# KiCad board CRMHJN_capable_carrier.kicad_pcb (continued)
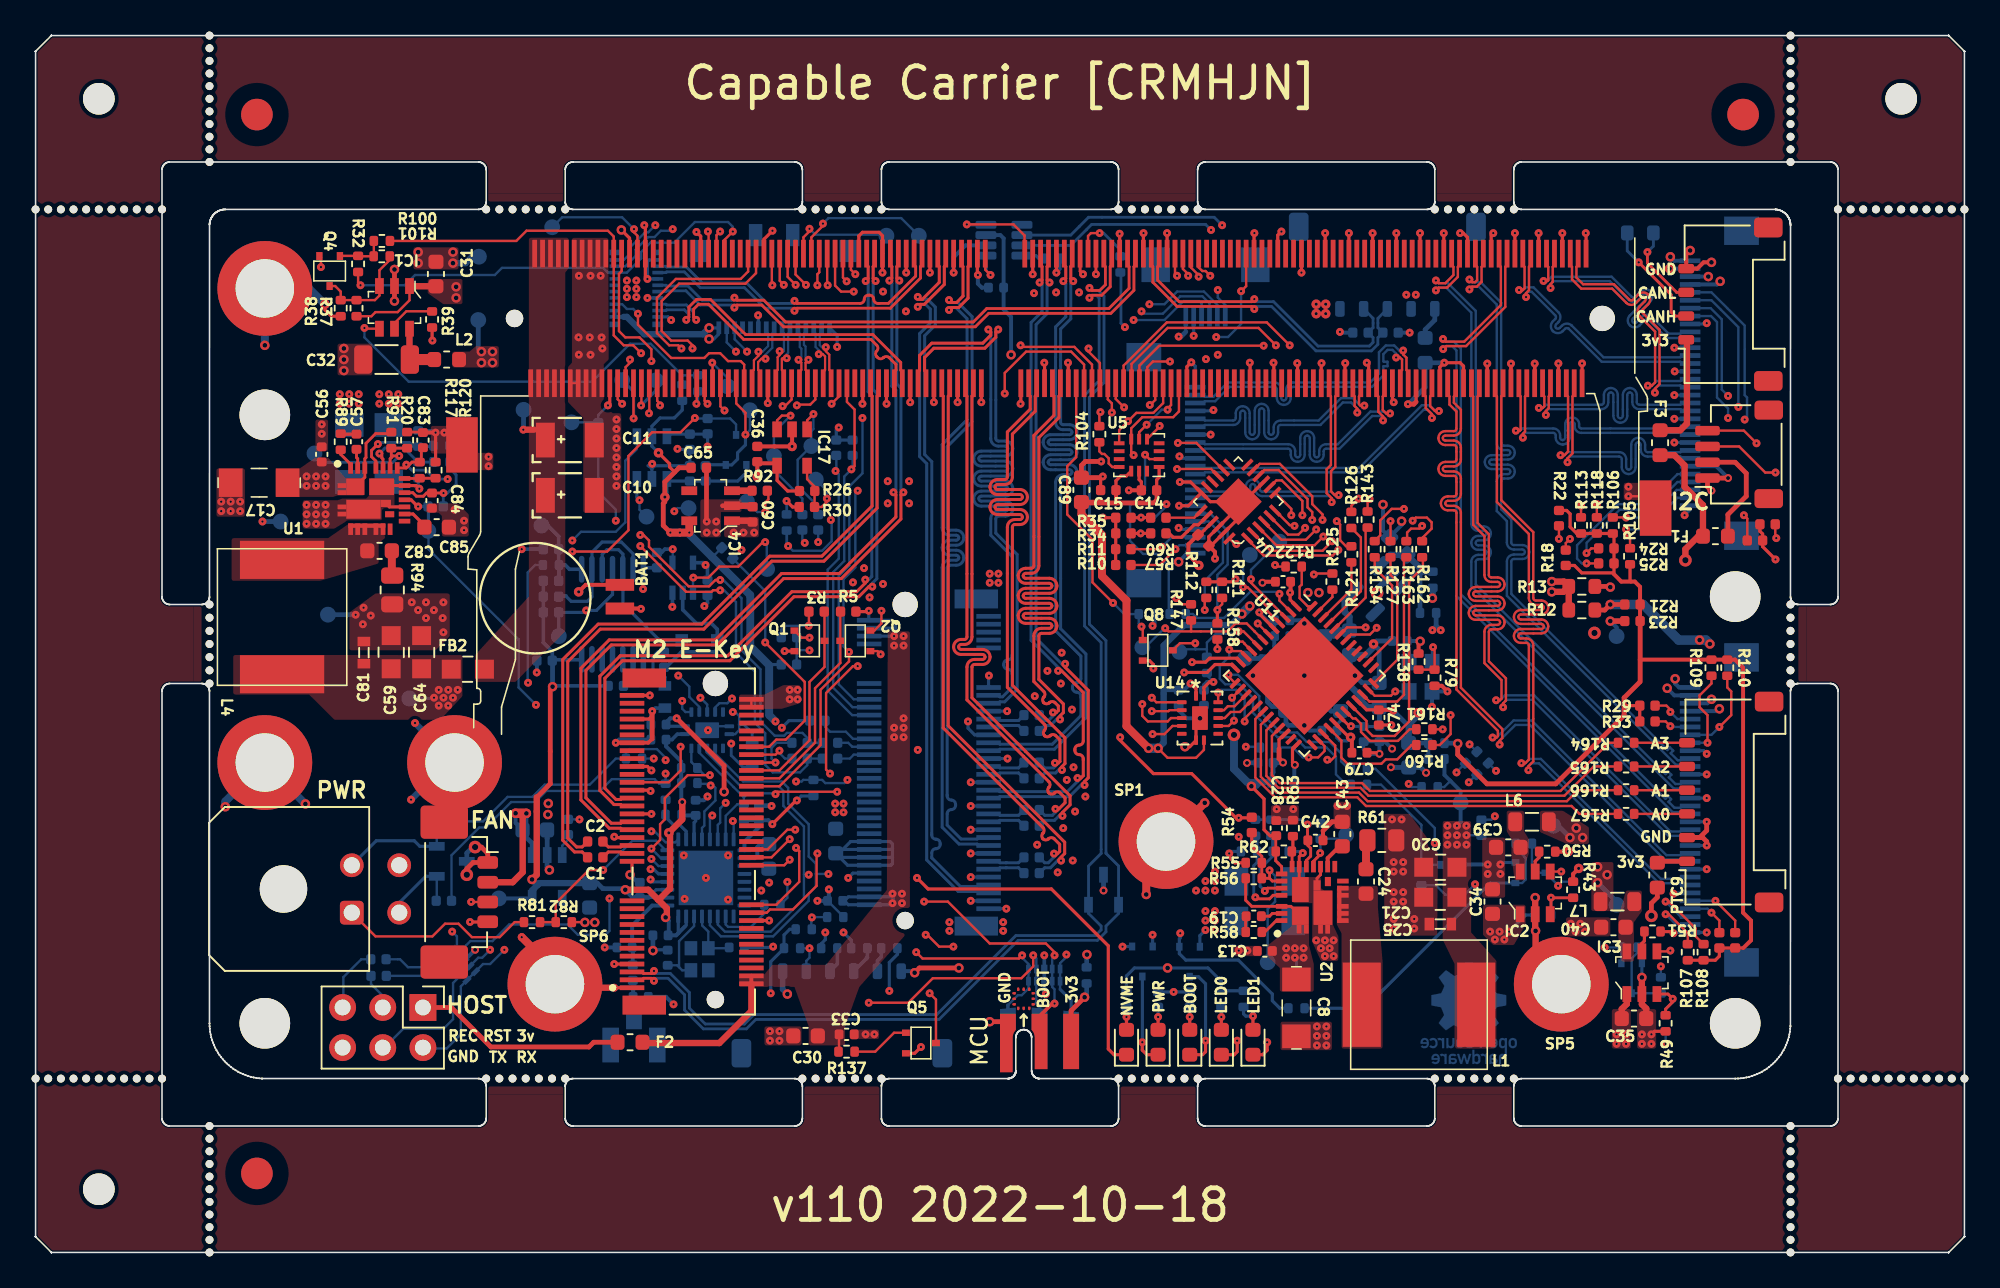
[diagram p0: board, top side]
## Routing (per net, layer and track width the routed paths; a pad name or vN(x,y) marks a point on that pad's centre or on a via; arc(x,y) is an arc through that point) (continued)
Board_0-IO0/SDA: length 37.3
  In2.Cu w0.15: v1(48.65,44.9) 48.65,42.7 45.2,39.25 45.2,37.5 45.6,37.1 45.6,32.5 44.25,31.15 v1(39.85,31.15)
  Bottom w0.15: v1(39.85,31.15) 39.85,31.3 39.3,31.85 37.55,31.85 37.34,31.64 R73.2 36.7,31.25 35.05,29.6 32.2,29.6 31.42,28.83 29.85,28.83 28.3,27.28 R66.1 ; R68.1 48.5,45.05 v1(48.65,44.9)
Board_0-IO1/SCL: length 41.3
  In2.Cu w0.15: v1(39.85,30.3) 40.3,30.3 40.75,30.75 44.35,30.75 46,32.4 46,37.3 45.55,37.75 45.55,38.95 49.5,42.9 v1(49.5,44.95)
  Bottom w0.15: v1(39.85,30.3) R72.2 39.44,29.66 39.15,29.95 36.45,29.95 35.7,29.2 32.3,29.2 31.6,28.5 30.08,28.5 28.47,26.89 28.06,26.89 26.31,25.14 R67.1 ; v1(49.5,44.95) R69.1
Board_0-M2E_ALERT: length 28.2
  Top w0.15: v1(43.58,53.27) 43.32,53.53 M1.212 ; J4.62 46.4,32 46.85,32.45 47.45,32.45 48.65,33.65 48.65,36.1 v1(46.15,38.6)
  In2.Cu w0.15: v1(44.65,44.45) 44.45,44.45 43.62,45.27 43.62,53.23 v1(43.58,53.27)
  Bottom w0.15: v1(46.15,38.6) 46.15,41.85 R2.2 44.11,43.91 v1(44.65,44.45)
Board_0-M2M_ALERT: length 3.5
  Bottom w0.15: R114.1 49.94,33.27 50.25,32.95 51.25,32.95 51.7,32.5 J8.44
Board_0-Net-(AE1-Pad1): length 2.6
  Bottom w0.25: L5.1 37.8,17.19 37.8,16.18 C6.1 37.85,16.12 AE1.1
Board_0-Net-(BOOT1-Pad1): length 6.6
  Top w0.2: BOOT1.1 73.81,12.51 74,12.7 v1(74,13.4)
  Bottom w0.2: T2.3 73.56,17.44 74,17 v1(74,13.4)
Board_0-Net-(BOOT1-Pad2): length 1.4
  Top w0.2: BOOT1.2 v1(73,14.9)
  Bottom w0.2: v1(73,14.9) R14.1
Board_0-Net-(C19-Pad2): length 1
  Top w0.18: R58.1 76.54,21.25 C19.2
Board_0-Net-(C24-Pad1): length 1.9
  Top w0.5: R61.1 84.15,25.99 C24.1
Board_0-Net-(C32-Pad2): length 3.5
  Top w0.4: C32.2 23.65,56.52 IC1.6
  Top w0.7: L2.1 C32.2
Board_0-Net-(C57-Pad2): length 1
  Top w0.2: C57.2 19.33,51.78 R89.1
Board_0-Net-(C77-Pad2): length 4.6
  Bottom w0.4: U13.5 82.8,41.25 82.8,40.52 83.1,40.22 C77.2 82.48,39.35 82.16,39.04 R148.2
Board_0-Net-(C82-Pad1): length 1.6
  Top w0.5: C82.1 22.53,42.86
  Top w0.6: 22.53,42.86 R94.1
Board_0-Net-(D6-Pad2): length 1.4
  Top w0.2: D6.2 v1(75,14.9)
  Bottom w0.2: v1(75,14.9) 75,15.53 R140.2
Board_0-Net-(D7-Pad2): length 2
  Top w0.2: D7.2 v1(77,14.95)
  Bottom w0.2: v1(77,14.95) 76.55,14.95 76.41,15.09 R139.2
Board_0-Net-(IC1-Pad3): length 6.7
  Top w0.15: R101.1 22.41,62.8 21.75,62.15 IC1.3 21.75,60.55 21.46,60.26 R37.1 R38.2 19.3,60.8 18.95,61.15 Q4.3
Board_0-Net-(IC1-Pad5): length 3
  Top w0.15: 25.02,59.55 23.45,59.55 22.7,58.8 IC1.5
Board_0-Net-(IC2-Pad5): length 1.4
  Top w0.2: R50.2 95.1,25 94.85,24.75 IC2.5
Board_0-Net-(IC3-Pad5): length 1.3
  Top w0.2: IC3.5 101.6,19.55 101.76,19.71 R51.2
Board_0-Net-(IC4-Pad3): length 1.3
  Top w0.406: R92.1 44.05,48.2
Board_0-Net-(IC12-Pad2): length 9.8
  Bottom w0.15: R16.2 33.58,41.5
  Bottom w0.2: 33.58,41.5 33.88,41.2 34.9,41.2 35.19,41.49 IC12.2 35.19,44.31 35.83,44.95 37.05,44.95 37.79,44.21 IC12.6
  Bottom w0.23: 33.09,41.55 33.55,41.55
Board_0-Net-(J1-Pad1): length 13.5
  Top w0.3: F2.1 35.3,13.3 35,13 28.8,13 26.3,15.5 J1.1
Board_0-Net-(J1-Pad3): length 2.4
  Bottom w0.15: 22.01,15.45 22.01,16.19 21.22,16.98 R98.1
Board_0-Net-(J1-Pad5): length 4.2
  Bottom w0.15: R99.1 20.6,18.55 19.47,17.42 19.47,15.45
Board_0-Net-(J2-Pad5): length 2.1
  Bottom w0.3: L3.2 87.89,58.39 88.5,59 J2.5
Board_0-Net-(J4-Pad58): length 4
  Top w0.15: J4.58 v1(46.8,31)
  Bottom w0.15: R8.1 46.87,32.25 46.55,31.93 46.55,31.25 v1(46.8,31)
Board_0-Net-(J4-Pad60): length 3
  Top w0.15: J4.60 46.8,31.5 v1(47.05,31.75)
  Bottom w0.15: R9.1 47.4,31.25 47.05,31.6 v1(47.05,31.75)
Board_0-Net-(J8-Pad40): length 2.1
  Bottom w0.15: R7.2 51.5,31.25 51.75,31.5 J8.40
Board_0-Net-(J8-Pad42): length 2.1
  Bottom w0.15: J8.42 51.65,32 51.4,32.25 R6.2
Board_0-Net-(J11-Pad2): length 1.6
  Bottom w0.23: J11.2 53.25,18.45 53.49,18.69 R75.2
Board_0-Net-(J11-Pad3): length 1.8
  Bottom w0.23: R76.2 52.61,18.66 52.56,18.61 52.56,18.6 J11.3
Board_0-Net-(J11-Pad4): length 1.6
  Bottom w0.23: J11.4 50.71,18.25 R77.2
Board_0-Net-(J14-Pad1): length 1.9
  Top w0.3: PTC9.2 102.66,24.66 102.75,24.75 104.44,24.75
Board_0-Net-(J15-Pad2): length 7.2
  Top w0.3: F1.1 107.04,46.69 108.2,47.85 108.2,49.3 107.5,50 J15.2
Board_0-Net-(J16-Pad1): length 7.2
  Top w0.4: F3.1 104.03,52.02 104.45,52.45 104.45,57.7 J16.1
Board_0-Net-(J18-Pad5): length 4.1
  Top w0.3: v2(66.35,16.15) 65.5,15.3 J18.5
  Bottom w0.3: R141.1 66.48,16.28 v2(66.35,16.15)
Board_0-Net-(NVME1-Pad2): length 1.4
  Top w0.2: NVME1.2 v1(69,14.9)
  Bottom w0.2: v1(69,14.9) R128.1
Board_0-Net-(PWR1-Pad1): length 5.8
  Top w0.2: v1(70,13.3) 70,12.8 70.29,12.51 PWR1.1
  Bottom w0.2: v1(70,13.3) 70.01,13.31 T4.3
Board_0-Net-(PWR1-Pad2): length 1.4
  Top w0.2: PWR1.2 v1(71,14.9)
  Bottom w0.2: v1(71,14.9) R97.1
Board_0-Net-(Q3-Pad1): length 19.9
  Bottom w0.15: R135.2 93.62,25.58 94.25,24.95 94.25,23.6 94.03,23.38 Q3.1
  Bottom w0.2: R123.1 84.08,15.45 92,23.38 Q3.1
Board_0-Net-(Q4-Pad1): length 3.1
  Top w0.15: Q4.1 19.26,63.06 R32.1 20.42,63.03 21.38,63.03 21.4,63.05 R100.1
Board_0-Net-(Q5-Pad1): length 3.7
  Top w0.15: Q5.1 54.3,13.9 53.11,12.7 R137.2
Board_0-Net-(R57-Pad1): length 3.3
  Top w0.2: U4.20 73.54,46.04 73.27,46.04 72.85,45.62 72.84,45.62 72.48,45.25 71.95,45.25 71.7,45.5 R57.1
Board_0-Net-(R60-Pad1): length 2.4
  Top w0.15: U4.19 73.29,46.49 R60.1
Board_0-Net-(R121-Pad1): length 4.2
  Top w0.15: U11.46 83.22,41.95 R121.1
Board_0-Net-(R122-Pad1): length 3.1
  Top w0.15: 80.08,43.4 80.08,42.26 79.95,42.12 79.95,41.4 80.47,40.88 U11.48
Board_0-Net-(R124-Pad2): length 1.5
  Bottom w0.2: U6.8 63.28,63.08 63.46,62.89 R124.2
Board_0-Net-(R125-Pad1): length 1.8
  Top w0.15: R125.1 82.03,41.48 81.1,40.55 U11.47
Board_0-Net-(R126-Pad1): length 7.1
  Top w0.15: U11.45 83.83,41.84 83.83,45.24 R126.1
Board_0-Net-(R127-Pad2): length 8.8
  Top w0.15: U11.36 86.12,37.5 86.12,42.45 85.7,42.88 R127.2
Board_0-Net-(R138-Pad2): length 3.5
  Top w0.15: v1(88.39,38.3) 88.48,38.2 R79.1 R138.2
  Bottom w0.15: v1(88.39,38.3) 88.33,38.23 U12.1
Board_0-Net-(R142-Pad1): length 8.2
  Top w0.15: U11.2 79.39,40.53 78.67,41.25 v1(78.67,41.67)
  Bottom w0.15: R142.1 73.2,40.4 73.45,40.15 75.17,40.15 76.83,41.8 78.55,41.8 v1(78.67,41.67)
Board_0-Net-(R143-Pad1): length 7.3
  Top w0.15: U11.44 84.12,41.44 84.12,45.74 R143.1
Board_0-Net-(R144-Pad2): length 11.8
  Top w0.15: v1(75.45,36.55) 75.45,36.44 75.88,36.02
  Bottom w0.15: R144.2 83.05,30.6 82.58,31.08 82.58,31.58 81.85,32.3 80.4,32.3 79.8,32.9 78.75,32.9 77.4,34.25 77.4,35.2 76.05,36.55 v1(75.45,36.55)
Board_0-Net-(R145-Pad2): length 15.6
  Top w0.15: v1(75.5,38.15) 75.6,38.05 76.25,38.05 76.58,37.71
  Bottom w0.15: v1(75.5,38.15) 75.5,37.7 74.9,37.1 74.9,36.3 75.25,35.95 76.15,35.95 77,35.1 77,34.15 78.55,32.6 79.65,32.6 80.3,31.95 81.65,31.95 82.25,31.35 82.25,30.25 82.9,29.6 R145.2
Board_0-Net-(R153-Pad2): length 14.5
  Top w0.15: U11.43 82.52,39.12 82.95,39.55 v1(84.12,39.55)
  In2.Cu w0.15: v1(84.12,39.55) 84.12,39.33 84.45,39 84.83,39 86.53,37.3 86.53,33.55 89.7,30.38 v1(89.88,30.38)
  Bottom w0.15: R153.2 89.88,30.4 v1(89.88,30.38)
Board_0-Net-(R154-Pad2): length 7.7
  Top w0.15: U11.38 85.8,38.87 85.8,42.2 84.7,43.3 R154.2
Board_0-Net-(R155-Pad2): length 14.6
  Top w0.15: U11.42 82.87,38.77 83.2,39.1 84.4,39.1 v1(84.83,39.52)
  In2.Cu w0.15: v1(90.7,32.15) 90.08,31.52 89.05,31.52 86.8,33.77 86.8,37.55 v1(84.83,39.52)
  Bottom w0.15: R155.2 v1(90.7,32.15)
Board_0-Net-(R158-Pad2): length 14.3
  Top w0.15: v1(81.7,31.17) 81.81,31.06 81.86,31.06 82.2,31.4 82.2,32.08 U11.27 ; R158.2 v1(74.75,38.17)
  In2.Cu w0.15: v1(74.75,38.17) 74.75,37.95 75.08,37.62 77.28,37.62 79.5,35.4 79.5,33.15 80.45,32.2 80.67,32.2 v1(81.7,31.17)
Board_0-Net-(R159-Pad2): length 4.4
  Top w0.15: v1(80.53,31.33) 81.12,31.33 81.53,31.73 81.53,32.04 U11.26
  Bottom w0.15: v1(80.53,31.33) 80.15,31.33 79.53,31.95 R159.2
Board_0-Net-(R160-Pad2): length 7.6
  Top w0.15: U11.28 82.59,32.39 82.59,31.31 82.97,30.92 85.12,30.92 85.4,31.2 86.12,31.2 87.03,32.11 R160.2
Board_0-Net-(R161-Pad2): length 5.8
  Top w0.15: U11.31 83.31,33.79 83.49,33.79 83.83,33.45 83.83,32.94 84.4,32.37 86.17,32.37 86.91,33.11 R161.2
Board_0-Net-(R162-Pad2): length 15.9
  Top w0.15: U11.32 84.18,33.63 84.18,33.07 84.57,32.68 85.96,32.68 86.88,33.59 86.88,42.48 87.75,43.35 87.75,43.99
Board_0-Net-(R163-Pad2): length 11.8
  Top w0.15: 86.75,43.99 86.55,43.79 86.55,35.29 86.12,34.86 84.36,34.86 U11.34
Board_0-Net-(R164-Pad2): length 26.7
  Top w0.15: R164.2 99.5,32.25 96.45,29.2 84.4,29.2 83.9,29.7 78.7,29.7 78.2,30.2 78.2,32.68 U11.21
Board_0-Net-(R165-Pad2): length 27.1
  Top w0.15: R165.2 98.55,30.75 96.7,28.9 84.3,28.9 83.8,29.4 78.6,29.4 77.85,30.15 77.85,33.04 U11.20
Board_0-Net-(R166-Pad2): length 27.5
  Top w0.15: R166.2 97.55,29.25 96.85,28.55 84.25,28.55 83.7,29.1 78.5,29.1 77.5,30.1 77.5,33.4 U11.19
Board_0-Net-(R167-Pad2): length 28.3
  Top w0.15: R167.2 97.65,27.75 97.15,28.25 84.15,28.25 83.6,28.8 78.4,28.8 77.15,30.05 77.15,33.75 U11.18
Board_0-PCIE0_CLK_N: length 45.1
  Top w0.191: v1(60.89,58.4) 60.73,58.25 60.73,57.91 60.04,57.22 56.82,57.22 56.23,56.63 56.23,55.82 56.32,55.73 M1.160
  Bottom w0.191: 60.9,34.75 60.99,34.84 61.29,34.84 62.08,35.63 62.08,44.17 60.73,45.52 60.73,46.43 arc(60.78,46.55) 60.89,46.59 61.34,46.59 arc(61.67,46.73) 61.81,47.07 arc(61.67,47.4) 61.34,47.54 59.81,47.54 arc(59.7,47.59) 59.66,47.7 arc(59.7,47.81) 59.81,47.86 61.34,47.86 arc(61.67,48) 61.81,48.33 arc(61.67,48.67) 61.34,48.81 59.81,48.81 arc(59.7,48.85) 59.66,48.97 arc(59.7,49.08) 59.81,49.12 61.34,49.12 arc(61.67,49.26) 61.81,49.6 arc(61.67,49.93) 61.34,50.07 59.81,50.07 arc(59.7,50.12) 59.66,50.23 arc(59.7,50.34) 59.81,50.39 61.34,50.39 arc(61.67,50.53) 61.81,50.86 arc(61.67,51.2) 61.34,51.34 60.89,51.34 arc(60.78,51.39) 60.73,51.5 60.73,58.25 v1(60.89,58.4)
Board_0-PCIE0_CLK_P: length 45.2
  Top w0.191: M1.162 55.82,55.73 55.91,55.82 55.91,56.76 56.68,57.53 59.91,57.53 60.42,58.04 60.42,58.25 v1(60.26,58.4)
  Bottom w0.191: v1(60.26,58.4) 60.42,58.25 60.42,51.5 arc(60.56,51.16) 60.89,51.02 61.34,51.02 arc(61.45,50.98) 61.49,50.86 arc(61.45,50.75) 61.34,50.71 59.81,50.71 arc(59.48,50.57) 59.34,50.23 arc(59.48,49.9) 59.81,49.76 61.34,49.76 arc(61.45,49.71) 61.49,49.6 arc(61.45,49.49) 61.34,49.44 59.81,49.44 arc(59.48,49.3) 59.34,48.97 arc(59.48,48.63) 59.81,48.49 61.34,48.49 arc(61.45,48.44) 61.49,48.33 arc(61.45,48.22) 61.34,48.17 59.81,48.17 arc(59.48,48.04) 59.34,47.7 arc(59.48,47.36) 59.81,47.22 61.34,47.22 arc(61.45,47.18) 61.49,47.07 arc(61.45,46.96) 61.34,46.91 60.89,46.91 arc(60.56,46.77) 60.42,46.43 60.42,45.38 61.77,44.03 61.77,37.77 arc(61.69,37.58) 61.5,37.5 arc(61.31,37.42) 61.24,37.24 61.24,37.17 arc(61.31,36.98) 61.5,36.9 arc(61.69,36.82) 61.77,36.64 61.77,35.76 61.16,35.16 60.99,35.16 60.9,35.25
Board_0-PCIE0_RX0_N: length 45.2
  Top w0.191: M1.131 65.57,62.48 65.48,62.38 65.48,61.61 v1(65.63,61.46)
  Bottom w0.191: J8.41 60.9,31.75 60.99,31.84 64.44,31.84 66.43,33.83 66.43,37.87 64.83,39.47 64.83,48.74 arc(64.88,48.85) 64.99,48.89 65.39,48.89 arc(65.73,49.03) 65.87,49.37 arc(65.73,49.7) 65.39,49.84 64.2,49.84 arc(64.09,49.89) 64.05,50 64.05,50 arc(64.09,50.11) 64.2,50.16 65.39,50.16 arc(65.73,50.3) 65.87,50.63 arc(65.73,50.97) 65.39,51.11 64.2,51.11 arc(64.09,51.16) 64.05,51.27 64.05,51.27 arc(64.09,51.38) 64.2,51.43 65.39,51.43 arc(65.73,51.56) 65.87,51.9 arc(65.73,52.24) 65.39,52.38 64.99,52.38 arc(64.88,52.42) 64.83,52.53 64.83,56.1 64.83,56.11 64.83,56.49 64.83,56.5 64.83,58.43 65.48,59.08 65.48,61.31 v1(65.63,61.46)
Board_0-PCIE0_RX0_P: length 45.3
  Top w0.191: M1.133 65.07,62.48 65.16,62.38 65.16,61.61 v1(65.01,61.46)
  Bottom w0.191: v1(65.01,61.46) 65.16,61.31 65.16,59.21 64.52,58.57 64.52,56.63 64.51,56.63 64.51,55.97 64.52,55.97 64.52,52.53 arc(64.66,52.2) 64.99,52.06 65.39,52.06 arc(65.51,52.01) 65.55,51.9 arc(65.51,51.79) 65.39,51.74 64.2,51.74 arc(63.87,51.6) 63.73,51.27 63.73,51.27 arc(63.87,50.93) 64.2,50.79 65.39,50.79 arc(65.51,50.75) 65.55,50.63 arc(65.51,50.52) 65.39,50.48 64.2,50.48 arc(63.87,50.34) 63.73,50 63.73,50 arc(63.87,49.66) 64.2,49.53 65.39,49.53 arc(65.51,49.48) 65.55,49.37 arc(65.51,49.26) 65.39,49.21 64.99,49.21 arc(64.66,49.07) 64.52,48.74 64.52,39.33 66.12,37.73 66.12,36.32 arc(66.04,36.13) 65.85,36.05 arc(65.66,35.97) 65.59,35.79 65.59,35.72 arc(65.66,35.53) 65.85,35.45 arc(66.04,35.37) 66.12,35.19 66.12,33.97 64.31,32.16 60.99,32.16 60.9,32.25 J8.43
Board_0-PCIE0_RX1_N: length 42.1
  Top w0.191: v1(66.35,29.58) 66.35,29.8 66.58,30.03 66.58,35.57 65.12,37.03 v1(65.12,37.25) ; v1(64.13,61.37) 63.98,61.53 63.98,62.38 64.07,62.48 M1.137
  Bottom w0.191: v1(66.35,29.58) 66.13,29.58 65.39,28.84 60.99,28.84 60.9,28.75 J8.29 ; v1(65.12,37.25) 64.9,37.25 63.28,38.87 63.28,58.71 63.98,59.4 63.98,61.22 v1(64.13,61.37)
Board_0-PCIE0_RX1_P: length 42.2
  Top w0.191: v1(65.9,30.02) 66.12,30.02 66.27,30.17 66.27,31.24 arc(66.19,31.42) 66,31.5 arc(65.81,31.58) 65.74,31.77 65.74,31.84 arc(65.81,32.02) 66,32.1 arc(66.19,32.18) 66.27,32.37 66.27,35.43 64.9,36.8 v1(64.68,36.8) ; M1.139 63.57,62.48 63.66,62.38 63.66,61.53 v1(63.51,61.37)
  Bottom w0.191: v1(65.9,30.02) 65.9,29.8 65.26,29.16 60.99,29.16 60.9,29.25 J8.31 ; v1(64.68,36.8) 64.68,37.02 62.97,38.73 62.97,58.84 63.66,59.53 63.66,61.22 v1(63.51,61.37)
Board_0-PCIE0_RX2_N: length 45.2
  Top w0.191: M1.149 59.07,62.48 58.98,62.38 58.98,60.38 58.39,59.79 57.93,59.79 v1(57.78,59.64)
  Bottom w0.191: J8.17 59.65,25.75 59.56,25.84 58.41,25.84 57.34,26.91 57.34,43.33 arc(57.48,43.66) 57.82,43.8 58.23,43.8 arc(58.35,43.85) 58.39,43.96 arc(58.35,44.07) 58.23,44.12 57.82,44.12 arc(57.48,44.26) 57.34,44.59 arc(57.48,44.93) 57.82,45.07 58.23,45.07 arc(58.35,45.11) 58.39,45.23 arc(58.35,45.34) 58.23,45.38 57.82,45.38 arc(57.48,45.52) 57.34,45.86 57.34,51.12 58.92,52.69 58.92,59.08 58.21,59.79 57.93,59.79 v1(57.78,59.64)
Board_0-PCIE0_RX2_P: length 45.3
  Top w0.191: M1.151 58.57,62.48 58.66,62.38 58.66,60.51 58.25,60.11 57.93,60.11 v1(57.78,60.26)
  Bottom w0.191: J8.19 59.65,26.25 59.56,26.16 58.54,26.16 57.66,27.04 57.66,27.76 arc(57.74,27.95) 57.92,28.02 arc(58.11,28.1) 58.19,28.29 58.19,28.36 arc(58.11,28.55) 57.92,28.62 arc(57.74,28.7) 57.66,28.89 57.66,43.33 arc(57.7,43.44) 57.82,43.48 58.23,43.48 arc(58.57,43.62) 58.71,43.96 arc(58.57,44.3) 58.23,44.44 57.82,44.44 arc(57.7,44.48) 57.66,44.59 arc(57.7,44.7) 57.82,44.75 58.23,44.75 arc(58.57,44.89) 58.71,45.23 arc(58.57,45.56) 58.23,45.7 57.82,45.7 arc(57.7,45.75) 57.66,45.86 57.66,50.98 59.23,52.56 59.23,59.22 58.34,60.11 57.93,60.11 v1(57.78,60.26)
Board_0-PCIE0_RX3_N: length 45.3
  Top w0.191: v1(55.8,59.84) 55.95,59.99 56.22,59.99 57.48,61.25 57.48,62.38 57.57,62.48 M1.155
  Bottom w0.191: J8.5 59.65,22.75 59.56,22.84 58.36,22.84 56.37,24.83 56.37,49.91 55.92,50.36 55.92,58.14 56.59,58.82 56.59,59.69 56.29,59.99 55.95,59.99 v1(55.8,59.84)
Board_0-PCIE0_RX3_P: length 45.4
  Top w0.191: M1.157 57.07,62.48 57.16,62.38 57.16,61.38 56.08,60.31 55.95,60.31 v1(55.8,60.46)
  Bottom w0.191: v1(55.8,60.46) 55.95,60.31 56.42,60.31 56.91,59.82 56.91,58.68 56.23,58.01 56.23,50.49 56.68,50.04 56.68,26.41 arc(56.76,26.23) 56.95,26.15 arc(57.14,26.07) 57.21,25.88 57.21,25.81 arc(57.14,25.63) 56.95,25.55 arc(56.76,25.47) 56.68,25.28 56.68,24.97 58.49,23.16 59.56,23.16 59.65,23.25 J8.7
Board_0-PCIE0_TX0_N: length 35.1
  Top w0.191: v1(64.8,33.73) 64.8,33.95 65.01,34.16 65.01,34.71 63.46,36.26 63.46,39.02 arc(63.5,39.13) 63.62,39.17 64.12,39.17 arc(64.46,39.31) 64.6,39.65 arc(64.46,39.99) 64.12,40.12 62.63,40.12 arc(62.51,40.17) 62.47,40.28 arc(62.51,40.39) 62.63,40.44 64.12,40.44 arc(64.46,40.58) 64.6,40.92 arc(64.46,41.25) 64.12,41.39 62.63,41.39 arc(62.51,41.44) 62.47,41.55 arc(62.51,41.66) 62.63,41.71 64.12,41.71 arc(64.46,41.85) 64.6,42.18 arc(64.46,42.52) 64.12,42.66 62.63,42.66 arc(62.51,42.7) 62.47,42.81 arc(62.51,42.93) 62.63,42.97 62.98,42.97 arc(63.32,43.11) 63.46,43.45 63.46,51.56 64.73,52.83 64.73,54.18 64.82,54.27 M1.134
  Bottom w0.191: C38.2 63.83,33.34 64.19,33.34 64.58,33.73 v1(64.8,33.73)
Board_0-PCIE0_TX0_P: length 35.1
  Top w0.191: v1(64.35,34.17) 64.57,34.17 64.69,34.29 64.69,34.58 64.48,34.79 arc(64.3,34.86) 64.12,34.79 64.12,34.79 arc(63.95,34.71) 63.77,34.79 arc(63.7,34.96) 63.77,35.14 63.77,35.14 arc(63.84,35.32) 63.77,35.5 63.14,36.13 63.14,39.02 arc(63.28,39.35) 63.62,39.49 64.12,39.49 arc(64.24,39.54) 64.28,39.65 arc(64.24,39.76) 64.12,39.81 62.63,39.81 arc(62.29,39.95) 62.15,40.28 arc(62.29,40.62) 62.63,40.76 64.12,40.76 arc(64.24,40.8) 64.28,40.92 arc(64.24,41.03) 64.12,41.07 62.63,41.07 arc(62.29,41.21) 62.15,41.55 arc(62.29,41.88) 62.63,42.02 64.12,42.02 arc(64.24,42.07) 64.28,42.18 arc(64.24,42.29) 64.12,42.34 62.63,42.34 arc(62.29,42.48) 62.15,42.81 arc(62.29,43.15) 62.63,43.29 62.98,43.29 arc(63.1,43.34) 63.14,43.45 63.14,51.69 64.41,52.96 64.41,54.18 64.32,54.27 M1.136
  Bottom w0.191: C37.2 63.83,33.66 64.06,33.66 64.35,33.95 v1(64.35,34.17)
Board_0-PCIE0_TX1_N: length 35.1
  Top w0.191: M1.140 63.32,54.27 63.23,54.18 63.23,53.23 61.78,51.78 61.78,49.07 arc(61.64,48.73) 61.31,48.59 60.84,48.59 arc(60.73,48.54) 60.68,48.43 arc(60.73,48.32) 60.84,48.28 62.26,48.28 arc(62.6,48.14) 62.73,47.8 arc(62.6,47.46) 62.26,47.33 60.84,47.33 arc(60.73,47.28) 60.68,47.17 arc(60.73,47.06) 60.84,47.01 62.26,47.01 arc(62.6,46.87) 62.73,46.53 arc(62.6,46.2) 62.26,46.06 61.94,46.06 arc(61.83,46.01) 61.78,45.9 61.78,35.89 65.11,32.57 65.11,30.93 64.92,30.75 v1(64.92,30.53)
  Bottom w0.191: v1(64.92,30.53) 64.7,30.53 64.52,30.34 63.83,30.34 C51.2
Board_0-PCIE0_TX1_P: length 35.1
  Top w0.191: M1.142 62.82,54.27 62.91,54.18 62.91,53.36 61.47,51.92 61.47,49.07 arc(61.42,48.95) 61.31,48.91 60.84,48.91 arc(60.5,48.77) 60.37,48.43 arc(60.5,48.1) 60.84,47.96 62.26,47.96 arc(62.37,47.91) 62.42,47.8 arc(62.37,47.69) 62.26,47.64 60.84,47.64 arc(60.5,47.5) 60.37,47.17 arc(60.5,46.83) 60.84,46.69 62.26,46.69 arc(62.37,46.65) 62.42,46.53 arc(62.37,46.42) 62.26,46.38 61.94,46.38 arc(61.61,46.24) 61.47,45.9 61.47,35.76 63.82,33.41 arc(63.89,33.23) 63.82,33.05 63.82,33.05 arc(63.74,32.88) 63.82,32.7 arc(63.99,32.63) 64.17,32.7 64.17,32.7 arc(64.35,32.77) 64.53,32.7 64.79,32.43 64.79,31.07 64.7,30.97 v1(64.48,30.97)
  Bottom w0.191: C49.2 63.83,30.66 64.38,30.66 64.48,30.75 v1(64.48,30.97)
Board_0-PCIE0_TX2_N: length 35.1
  Top w0.191: M1.148 59.32,54.27 59.23,54.18 59.23,38.95 arc(59.09,38.61) 58.75,38.47 58.54,38.47 arc(58.43,38.43) 58.38,38.31 arc(58.43,38.2) 58.54,38.16 59.9,38.16 arc(60.23,38.02) 60.37,37.68 arc(60.23,37.34) 59.9,37.21 59.39,37.21 arc(59.27,37.16) 59.23,37.05 59.23,35.1 62.62,31.71 65.43,28.89 65.43,28.33 64.95,27.84 v1(64.95,27.63)
  Bottom w0.191: v1(64.95,27.63) 64.73,27.63 64.45,27.34 63.83,27.34 C68.2
Board_0-PCIE0_TX2_P: length 35.1
  Top w0.191: v1(64.51,28.07) 64.73,28.07 65.11,28.46 65.11,28.76 64.8,29.08 arc(64.62,29.15) 64.45,29.08 64.45,29.07 arc(64.27,29) 64.09,29.07 arc(64.02,29.25) 64.09,29.43 64.09,29.43 arc(64.17,29.61) 64.09,29.78 62.48,31.39 58.91,34.97 58.91,37.05 arc(59.05,37.38) 59.39,37.52 59.9,37.52 arc(60.01,37.57) 60.05,37.68 arc(60.01,37.79) 59.9,37.84 58.54,37.84 arc(58.2,37.98) 58.07,38.31 arc(58.2,38.65) 58.54,38.79 58.75,38.79 arc(58.86,38.84) 58.91,38.95 58.91,54.18 58.82,54.27 M1.150
  Bottom w0.191: C52.2 63.83,27.66 64.32,27.66 64.51,27.85 v1(64.51,28.07)
Board_0-PCIE0_TX3_N: length 35.1
  Top w0.191: M1.154 57.82,54.27 57.73,54.18 57.73,33.32 65.09,25.96 65.09,25.24 64.86,25.01 v1(64.86,24.79)
  Bottom w0.191: v1(64.86,24.79) 64.64,24.79 64.19,24.34 63.83,24.34 C70.2
Board_0-PCIE0_TX3_P: length 35.1
  Top w0.191: M1.156 57.32,54.27 57.41,54.18 57.41,33.19 63.72,26.88 arc(63.79,26.71) 63.72,26.53 63.72,26.53 arc(63.64,26.35) 63.72,26.17 arc(63.89,26.1) 64.07,26.17 64.07,26.18 arc(64.25,26.25) 64.43,26.18 64.77,25.83 64.77,25.37 64.64,25.24 v1(64.42,25.24)
  Bottom w0.191: C69.2 63.83,24.66 64.06,24.66 64.42,25.02 v1(64.42,25.24)
Board_0-PCIE1_CLK_N: length 49.8
  Top w0.191: J4.49 37.1,28.75 37.01,28.66 36.72,28.66 36.01,29.37 36.01,36.33 37.12,37.44 43.92,37.44 47.97,41.49 52.07,41.49 52.7,42.13 v1(52.92,42.13) ; M1.173 53.07,62.48 52.98,62.38 52.98,61.62 v1(53.13,61.47)
  Bottom w0.191: v1(53.13,61.47) 52.98,61.31 52.98,54.6 53.21,54.37 53.21,42.63 52.92,42.35 v1(52.92,42.13)
Board_0-PCIE1_CLK_P: length 50.3
  Top w0.191: v1(52.51,61.47) 52.66,61.62 52.66,62.38 52.57,62.48 M1.175 ; J4.47 37.1,28.25 37.01,28.34 36.58,28.34 35.69,29.23 35.69,36.47 36.98,37.76 43.78,37.76 47.83,41.81 51.93,41.81 52.48,42.35 v1(52.48,42.57)